# KiCad board GDI-6ch.kicad_pcb (continued)
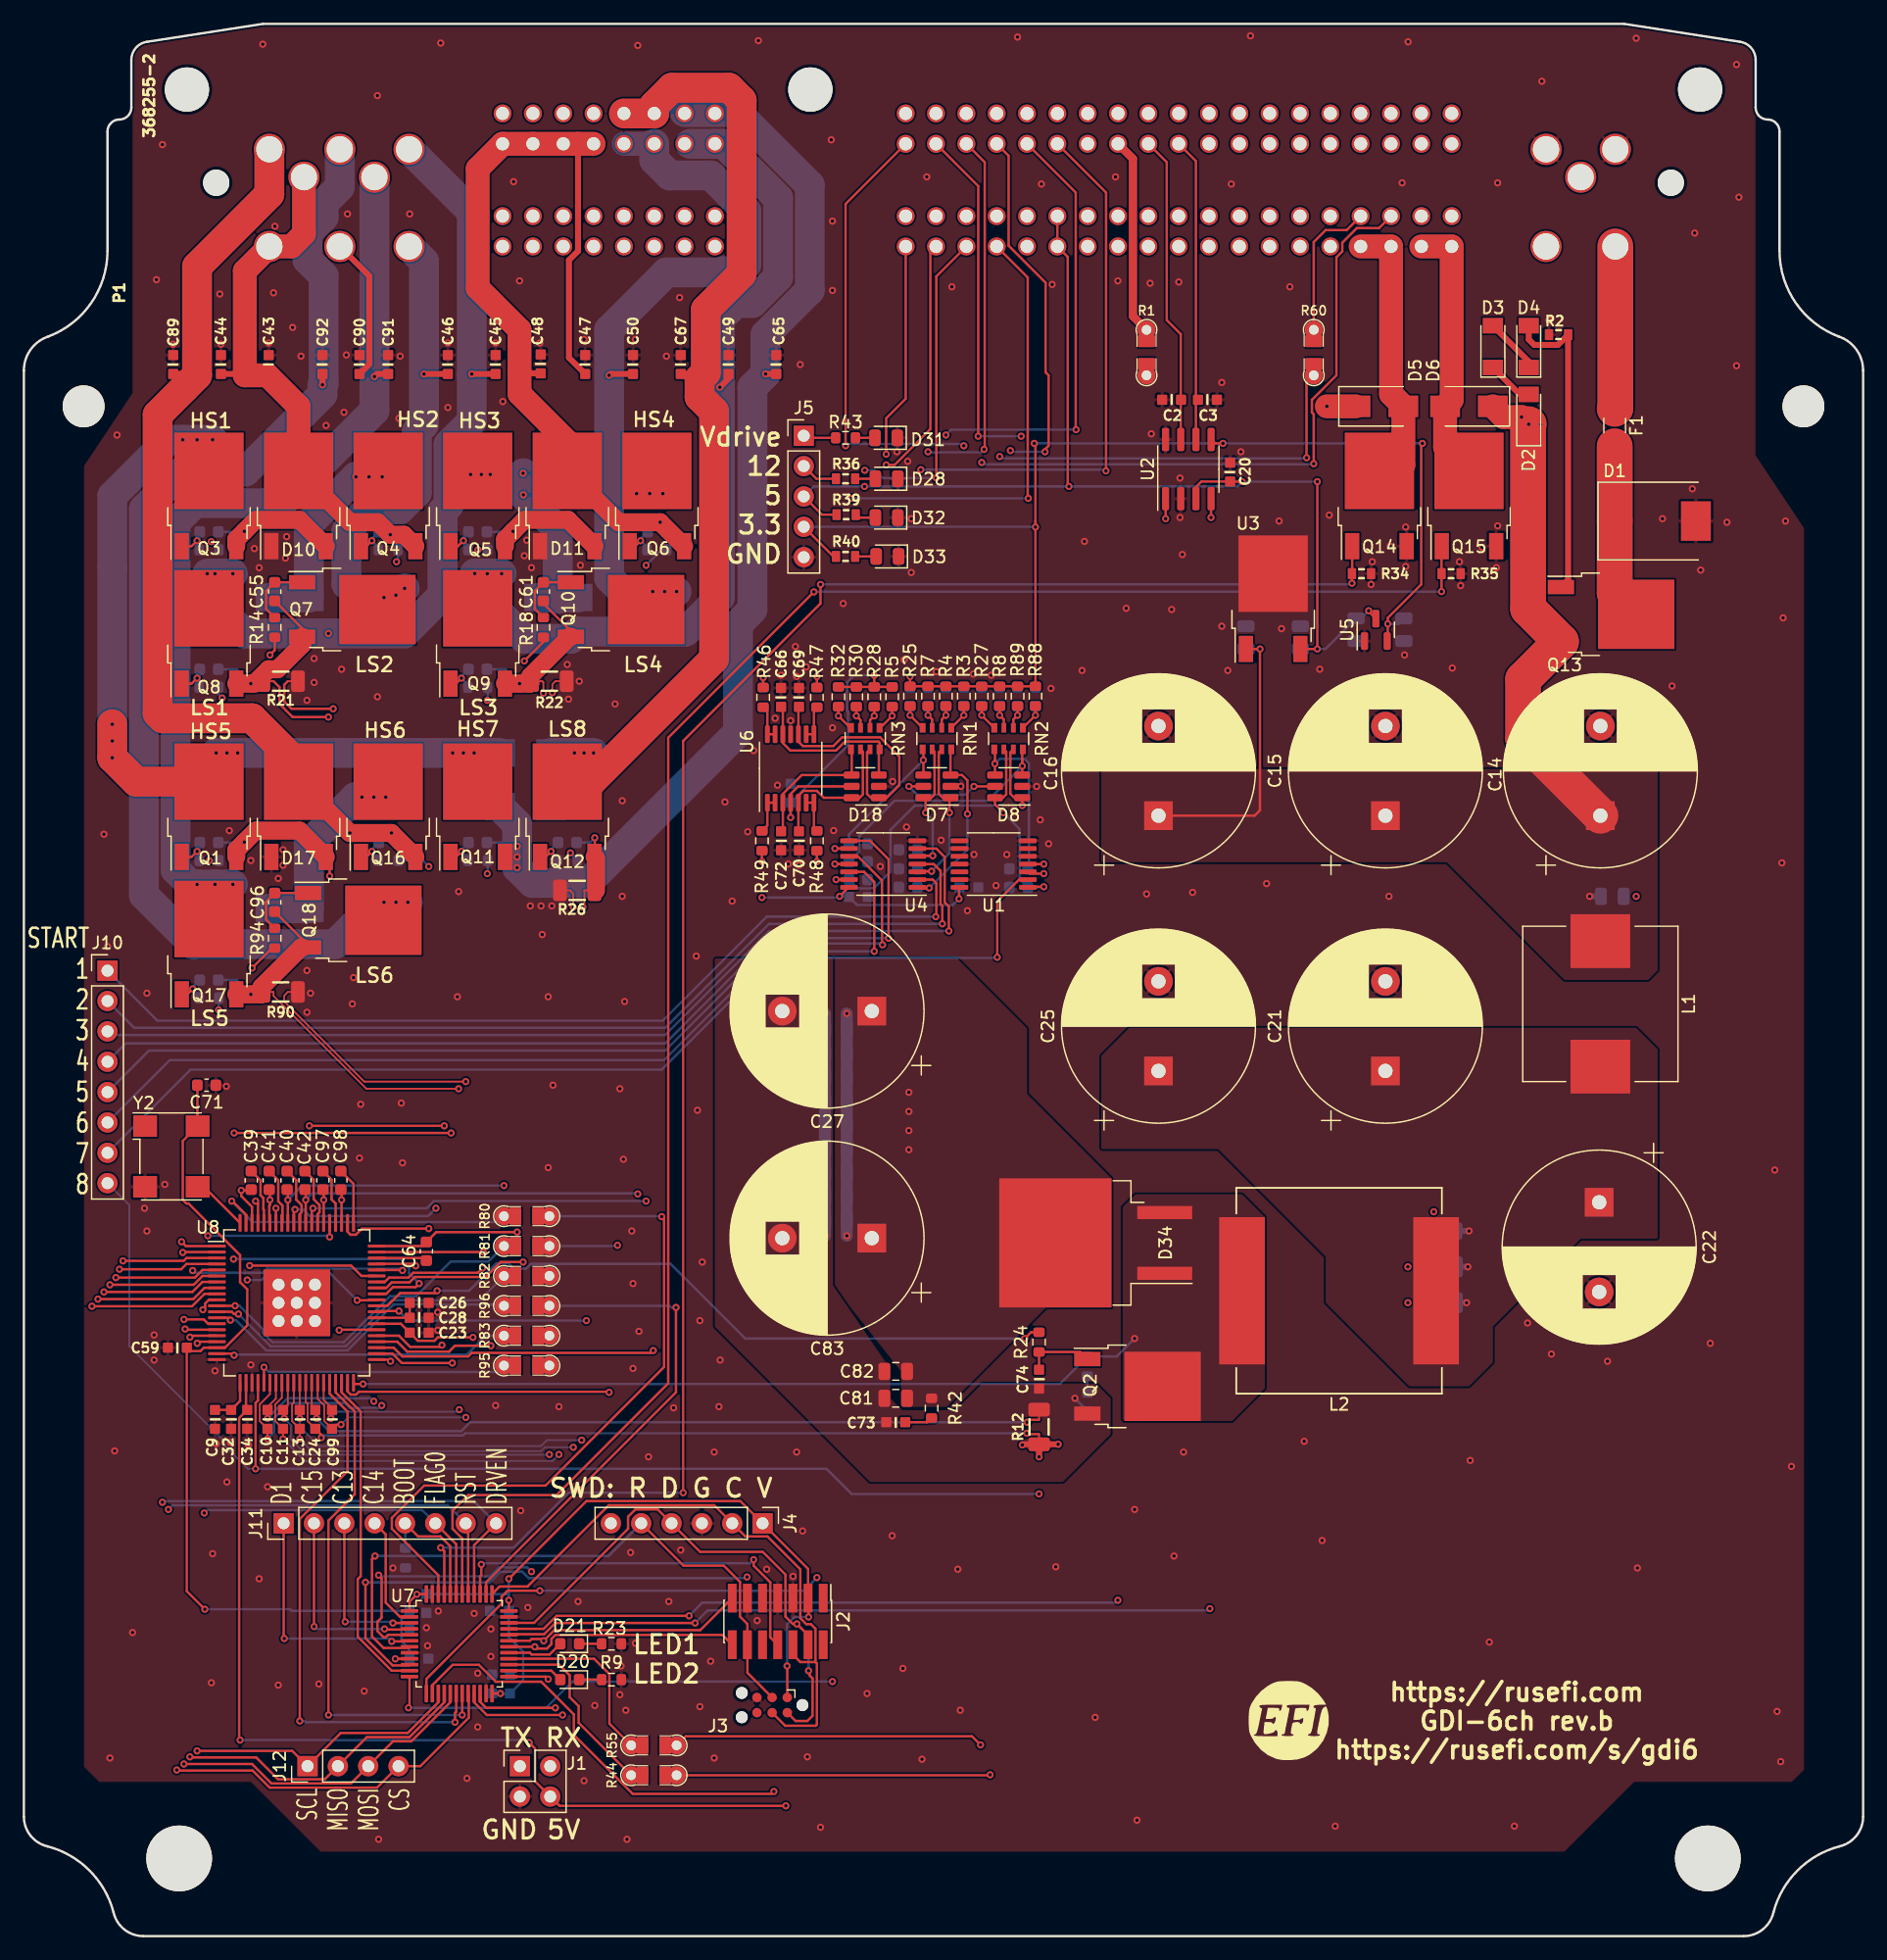
[diagram p0: board, top side]
## Routing (per net, layer and track width the routed paths; a pad name or vN(x,y) marks a point on that pad's centre or on a via; arc(x,y) is an arc through that point) (continued)
/IN_PUMP2: length 172.7
  Top w0.2: v1(107.4,123.7) 107.4,130 R60.2 ; v1(80.9,13.5) 80.86,13.46 R44.1 ; 82.05,101.15 82.05,101.8 v1(81.7,102.15) R8.2
  PWR w0.2: v1(81.7,123.8) v1(81.7,102.15) 80.65,101.1 80.65,13.75 v1(80.9,13.5)
  Bottom w0.2: v1(81.7,123.8) 81.85,123.65 107.35,123.65 v1(107.4,123.7) ; v1(81.7,102.15) R8.2
/IRQ: length 58.1
  Top w0.2: U7.46 34.7,30.19 30.81,34.08 30.81,35 33.51,37.7 43.68,37.7 53.6,47.62 53.6,60 v1(53.4,60.2)
  Bottom w0.2: R80.2 53.36,60.24 v1(53.4,60.2)
/L1: length 131
  Top w0.2: v1(26.4,50.7) 26.44,50.74 U8.46
  Top w0.5: C45.2 37.51,130.71 v1(37.5,130.7)
  PWR w0.2: v1(25.5,109) 24.95,108.45 24.95,90.13 26.2,88.88 26.2,62.05 26.05,61.9 26.05,58.83 26.4,58.48 v1(26.4,50.7)
  Bottom w2.5: P1.114 37.5,144.26 v1(37.5,130.7) 37.5,126.75 35.55,124.8 35.55,119.7 35.05,119.2 35.05,112.19 31.86,109 v1(25.5,109) 18.45,109 16.35,111.1 D9.2 16.35,113.65 v1(16,114) ; v1(17.5,114) v1(15.35,114)
/L2: length 125.7
  Top w0.2: v1(35,49.45) 34.85,49.3 32.34,49.3 31.4,50.24 U8.45 ; v1(23.9,67.8) v1(35.2,67.8)
  Top w0.5: C46.2 33.51,130.71 v1(33.5,130.7)
  PWR w0.2: v1(23.9,67.8) 24.6,68.5 24.6,103.42 23.75,104.27 23.75,108.85 26.9,112 v1(30.15,112) ; v1(35,49.45) 35.2,49.65 v1(35.2,67.8)
  Bottom w2.5: P1.119 33.5,140.13 v1(33.5,130.7) 33.5,126.5 32.9,125.9 32.9,120.8 31.47,119.38 28.82,119.38 27,117.55 27,113.15 D12.2 31.11,112 v1(31.88,112.77)
  vias: v1(31.15,112.2)
/L3: length 148.8
  Top w0.2: U8.44 31.26,49.74 32.1,48.9 35.6,48.9 36.1,49.4 v1(39.1,49.4)
  Top w0.5: v1(58.27,129.6) 59,130.32 C49.2
  PWR w0.2: v1(39.1,49.4) 39.18,49.48 39.18,87.38 40,88.2 v1(40,114)
  Bottom w2.5: 55.78,149.97 P1.90 58.6,149.97 63.15,145.42 63.15,138.8 61,136.65 59.6,136.65 58.27,135.33 v1(58.27,129.6) 58.27,112.02 55.4,109.15 46.4,109.15 45.8,108.55 41.95,108.55 38.85,111.65 D13.2 38.85,113.95 v1(38.8,114) ; v1(40,114) 37.76,114 v1(37.75,114.01)
/L4: length 148.1
  Top w0.2: U8.43 30.96,49.24 31.7,48.5 37.2,48.5 37.5,48.8 52.5,48.8 v1(52.7,49)
  Top w0.5: C50.2 49.11,130.71 v1(49,130.59)
  PWR w0.2: v1(52.65,112.5) 52.65,49.05 v1(52.7,49)
  Bottom w2: P1.92 P1.93
  Bottom w2.5: P1.92 52.78,148.62 54.08,147.32 57.5,147.32 60.5,144.32 60.5,139.9 59.9,139.3 58.5,139.3 58.4,139.2 53.79,139.2 49,134.41 v1(49,130.59) 49,113.65 D14.2 51.15,112.5 v1(54.65,112.5)
  vias: v1(53.65,112.5)
/L5: length 142.8
  Top w0.2: v1(35.87,47.95) 31.65,47.95 30.86,48.74 U8.42 ; v1(17.6,67.2) v1(35.77,67.2)
  Top w0.5: v1(29.35,130.5) 29.56,130.71 C91.2
  PWR w0.2: v1(35.87,47.95) 35.9,47.98 35.9,67.07 v1(35.77,67.2) ; v1(17.5,88) 17.5,67.3 v1(17.6,67.2)
  Bottom w2.5: D19.2 16.35,87.65 v1(16,88) ; P1.117 v1(29.35,130.5) 29.35,127.65 21.6,119.9 14.3,119.9 12.7,118.3 12.7,89.23 13.93,88 v1(14.5,88) v1(17.5,88)
/L6: length 140
  Top w0.2: U8.41 30.56,48.24 v1(30.7,48.1)
  Top w0.5: v1(25,129.8) C92.2
  PWR w0.2: v1(30.7,48.1) 30.7,85.59 30.15,86.14 v1(30.15,86.5)
  Bottom w2.5: P1.115 26.45,146.36 25.1,145.01 25.1,143.84 23.75,142.5 23.75,140.26 25.1,138.91 25.1,129.9 v1(25,129.8) 25,129 18.55,122.55 13.2,122.55 10.05,119.4 10.05,87.1 14.15,83 26.05,83 28.15,85.1 D22.2 28.65,86.5 v1(32.15,86.5)
  vias: v1(31.15,86.5)
/L7: length 159.4
  Top w0.2: U8.39 27.1,45.57 27.36,45.31 27.81,45.31 28.05,45.55 48.95,45.55 v1(49,45.5)
  Top w0.5: C67.2 56.17,130.71 56.57,130.3
  Top w2.5: P1.85 P1.84 52.78,153.18 54.26,154.66 59.04,154.66 60.1,153.6 60.1,139.1 57.1,136.1 57.1,130.83 56.57,130.3 56.57,128.79 57.79,127.57 57.79,106.89 47.5,96.6 Q12.2
  PWR w0.2: v1(47.7,99) 47.25,98.55 47.25,86.45 49,84.7 v1(49,45.5)
  Bottom w2.5: D16.2 v1(47.7,99)
  vias: v1(46.1,99) v1(46.9,99)
/LED_GREEN: length 4.7
  Top w0.2: D21.2 44.01,23.56 42.51,23.56 42.36,23.71 U7.29
/LS1: length 154.6
  Top w0.2: v1(55.2,37.1) 55.2,100 66.7,111.5 v1(66.7,113.1) ; U7.45 35.2,32.2 v1(34.9,32.5) ; Q14.1 111.22,114.02 R34.2 v1(111.2,113.2)
  Bottom w0.2: v1(111.2,113.2) 111.1,113.1 v1(66.7,113.1) ; v1(34.9,32.5) 41,32.5 45.6,37.1 v1(55.2,37.1)
/LS2: length 157.4
  Top w0.2: U7.42 36.7,33.27 35.89,34.08 35.89,35.59 37.2,36.9 44.6,36.9 53.95,46.25 53.95,100.28 v1(66.15,112.48) ; v1(118.7,112.5) R35.2 118.7,116.28 Q15.1
  Bottom w0.2: v1(66.15,112.48) 66.17,112.5 v1(118.7,112.5)
/MISO: length 62.9
  Top w0.2: U8.16 14.02,50.24 v1(13.9,50.11) ; U7.16 35.2,19.56 32.29,16.65 28.72,16.65 J12.2 25.19,13.12 21.28,13.12 19.45,14.95 13.95,14.95 v1(13.9,15)
  PWR w0.2: v1(13.9,50.11) v1(13.9,15)
/MOSI: length 65.7
  Top w0.2: v1(13.4,14.4) 19.1,14.4 20.73,12.77 27.38,12.77 J12.3 30.91,16.3 32.44,16.3 35.7,19.56 U7.17 ; U8.15 13.56,50.74 v1(13.5,50.8)
  PWR w0.2: v1(13.5,50.8) 13.35,50.65 13.35,14.45 v1(13.4,14.4)
/nRESET: length 54.9
  Top w0.2: U7.7 32.19,24.11 30.11,24.11 29.15,25.07 29.15,31.55 v1(29.4,31.8) ; J4.5 55.23,31 58.6,31 59.96,29.64 59.96,26.74 60.58,26.12 J2.12 60.58,22.03 J3.3
  Bottom w0.2: J4.5 48.96,31.81 29.41,31.81 v1(29.4,31.8)
/OA_1: length 46.1
  Top w0.2: U7.18 36.2,18.78 36.1,18.68 v1(36.1,17.9) ; v1(23.1,18) 23.1,34.91 27.1,38.9 27.1,43.89 25.6,45.38 U8.36
  Bottom w0.2: v1(36.1,17.9) 23.6,17.9 23.5,18 v1(23.1,18)
/OA_2: length 42.4
  Top w0.2: U8.37 26.1,45.5 27.7,43.9 27.7,36.97 25.5,34.77 v1(25.5,18.5) ; v1(36.7,18.5) U7.19
  Bottom w0.2: v1(25.5,18.5) v1(36.7,18.5)
/OA_3: length 27.5
  Top w0.2: U7.11 30.79,22.21 27.95,25.05 27.95,29.87 28.2,30.12 28.2,43.89 26.6,45.49 U8.38
/OUT_LS1: length 23.5
  Top w2: P1.21 P1.22 114.47,129.03 D5.2 115.5,123.1 115,122.6 Q14.2
/OUT_LS2: length 22.4
  Top w2: P1.23 P1.24 119.55,128.55 D6.2 119,124.6 Q15.2
/RESETB: length 56.5
  Top w0.2: v1(13.3,57.2) 13.34,57.24 U8.2 ; J11.7 37.2,34.33 U7.41
  PWR w0.2: v1(12.1,35.7) 12.1,35.88 12.25,36.03 12.25,56.15 v1(13.3,57.2)
  Bottom w0.2: J11.7 35.48,36.05 12.45,36.05 v1(12.1,35.7)
/SCLK: length 59.5
  Top w0.2: U7.15 34.7,19.56 32.14,17 26.53,17 J12.1 22.47,15.5 v1(14.5,15.5) ; v1(14.51,49.6) 14.65,49.74 U8.17
  PWR w0.2: v1(14.5,15.5) 14.51,15.51 v1(14.51,49.6)
/START1: length 113.4
  Top w0.2: v1(8.3,56.5) 13.38,56.5 13.62,56.74 U8.3 ; v1(76.35,85.3) 76.4,85.35 76.4,88.1 76.1,88.4 U4.2
  PWR w0.2: v1(8.3,56.5) 8.3,60.02 9.95,61.67 9.95,77.83 J10.1
  Bottom w0.2: J10.1 11.18,76.6 53.5,76.6 62.2,85.3 v1(76.35,85.3)
/START2: length 113.8
  Top w0.2: v1(76.9,84.7) 76.9,86.21 76.75,86.36 76.75,89.13 76.18,89.7 U4.4 ; U8.4 13.61,56.24 13.17,55.8 v1(8,55.8)
  PWR w0.2: v1(8,55.8) 7.75,56.05 7.75,59.96 9.6,61.81 9.6,75.64 J10.2
  Bottom w0.2: J10.2 9.24,76 53.7,76 62.4,84.7 v1(76.9,84.7)
/START3: length 114.2
  Top w0.2: U4.6 76.4,91 77.1,90.3 77.1,86.5 77.45,86.15 v1(77.45,84.1) ; v1(7.7,55.1) 14.32,55.1 14.96,55.74 U8.5
  PWR w0.2: v1(7.7,55.1) 7.4,55.4 7.4,60.11 9.25,61.96 9.25,73.45 J10.3
  Bottom w0.2: v1(77.45,84.1) 62.4,84.1 53.7,75.4 7.3,75.4 J10.3
/START4: length 109.7
  Top w0.2: v1(72.4,83.5) 72.4,90.1 70.85,91.65 U4.8 ; U8.6 14.96,55.24 14.22,54.5 v1(7.2,54.5)
  PWR w0.2: v1(7.2,54.5) 7.05,54.65 7.05,60.25 8.85,62.05 8.85,71.31 J10.4
  Bottom w0.2: v1(72.4,83.5) 62.5,83.5 53.7,74.7 8.54,74.7 J10.4
/START5: length 107
  Top w0.2: v1(6.7,53.9) 14.11,53.9 14.95,54.74 U8.7 ; v1(71.9,82.95) 71.85,82.99 71.85,88.32 69.82,90.35 U4.10
  PWR w0.2: v1(6.7,53.9) 6.65,53.95 6.65,60.35 8.5,62.2 8.5,69.12 J10.5
  Bottom w0.2: v1(71.9,82.95) 71.79,83.05 62.65,83.05 53.7,74.1 10.48,74.1 J10.5
/START6: length 104.8
  Top w0.2: U4.12 70.35,89.05 71.2,88.2 v1(71.2,82.4) ; U8.8 15.12,54.24 14.18,53.3 v1(6.2,53.3)
  PWR w0.2: J10.6 8.1,66.98 8.1,62.4 6.15,60.45 6.15,53.35 v1(6.2,53.3)
  Bottom w0.2: J10.6 12.22,73.3 53.6,73.3 62.7,82.4 v1(71.2,82.4)
/START7: length 113.6
  Top w0.2: v1(5.7,52.7) 14.08,52.7 15.12,53.74 U8.9 ; U1.2 83.32,88.4 81.5,86.57 v1(81.5,81.9)
  PWR w0.2: J10.7 5.65,64.19 5.65,52.75 v1(5.7,52.7)
  Bottom w0.2: J10.7 13.96,72.5 53.4,72.5 62.75,81.85 81.45,81.85 v1(81.5,81.9)
/START8: length 157.9
  Top w0.2: v1(19.4,39.1) 19.4,44.61 19.6,44.81 U8.24 ; v1(85.4,89.7) U1.4
  PWR w0.2: v1(85.4,89.7) 86.05,89.05 86.05,38.05 v1(85,37)
  Bottom w0.15: J10.8 8.82,61.17 8.82,49.35 16.77,41.4 16.77,41.08 18.76,39.1 v1(19.4,39.1)
  Bottom w0.2: v1(19.4,39.1) 67.2,39.1 69.3,37 v1(85,37)
/SWCLK: length 52.1
  Top w0.2: 66.28,22.93 66.28,25.72 65.9,26.1 65.52,26.1 65.01,26.61 65.01,30.69 62.26,33.44 60.41,33.44 J4.2 57.8,36.05 48.97,36.05 42.17,29.25 39.83,29.25 U7.37 ; 66.28,22.93 65.01,22.93 64.39,23.55 J2.6 ; 66.28,22.93 66.4,22.81 66.4,17.7 66.3,17.6 63.74,17.6 J3.4
/SWDIO: length 47.6
  Top w0.2: J3.2 64.61,18 65.6,18 66.04,18.44 66.04,21.56 65.8,21.8 65.8,22.1 v1(65.7,22.2) ; J2.4 65.66,25.18 v1(64.72,26.12) 64.38,26.12 63.77,26.73 63.77,30.25 61.87,32.15 56.62,32.15 J4.4 53.07,35.7 51.2,35.7 50.59,35.09 50.59,34.08 42.72,26.21 U7.34
  Bottom w0.2: v1(64.72,26.12) 65.7,25.14 v1(65.7,22.2)
/SWO: length 33.4
  Top w0.2: v1(38.3,31.1) 38.3,30.2 38.2,30.1 U7.39 ; v1(61.1,31.5) 61.1,31 62.5,29.6 62.5,25 J2.8
  Bottom w0.2: v1(61.1,31.5) 60.8,31.2 38.4,31.2 v1(38.3,31.1)
/UART_RX: length 31.2
  Top w0.2: U7.31 42.36,24.71 42.51,24.86 43.37,24.86 v1(43.52,24.71) 44.41,25.6 56.63,25.6 J2.13
  PWR w0.2: v1(43.52,24.71) 43.52,22.04 43.25,21.77 43.25,15.04 J1.2
/UART_TX: length 30.3
  Top w0.2: U7.30 v1(42.78,24.21) 42.93,24.06 43.79,24.06 44.17,24.44 44.17,24.87 44.51,25.2 58.49,25.2 J2.14
  PWR w0.2: v1(42.78,24.21) 41.53,22.96 J1.1
/Vdrive_coil: length 67
  Top w0.2: v1(28.4,46.2) 27.7,46.2 U8.40
  Bottom w0.2: v1(93,50) 91.5,48.5 R38.2 86.74,46.2 v1(28.4,46.2)
/Vdrive_shunt: length 20.1
  Bottom w0.2: C60.1 89.04,43.96 v1(88,45)
  Bottom w1: v1(67.07,58.6) R99.2 R102.2 v1(67.07,77.2)
Vdrive: length 252
  Top w0.2: J5.1 65.47,125.37 R43.2 ; v1(32.81,56.08) 32.64,56.25 29.55,56.25 U8.57
  PWR w0.2: 31.8,95.3 32.7,94.4 32.7,56.19 v1(32.81,56.08) ; J5.1 62.14,125.54 57.3,120.7 v1(53.5,120.7)
  PWR w2.5: v1(28.3,95.3) 31.8,95.3 33.85,97.35 33.85,113.95 34.94,115.03 34.94,118.84 35.5,119.4 ; v1(27.8,122.1) 32.8,122.1 35.5,119.4 ; v1(74.1,65.8) v1(74.1,67.4) v1(74.1,69) v1(74.1,70.6) 74.1,89.6 65.97,97.73 65.97,102.47 68.1,104.6 68.1,107.8 55.2,120.7 v1(53.5,120.7) v1(51.3,120.7) 49.6,122.4 v1(41.8,122.4) 41.8,120.62 v1(41.82,120.6) 40.63,119.4 35.5,119.4
  Bottom w1: v1(68.9,77.2) R102.1 R99.1 v1(68.9,58.6)
  Bottom w2.5: D9.1 D12.1 23.85,118.15 27.8,122.1 v1(27.8,122.1) v1(30,122.1) ; v1(30.3,95.3) v1(28.3,95.3) 27.75,95.3 23.85,91.4 D22.1 D19.1 ; D14.1 44.8,112 ; 44.8,112 44.7,111.9 44.6,112 D13.1 ; 44.8,112 44.7,112.1 44.7,117.72 v1(41.82,120.6) 41.82,122.38 v1(41.8,122.4)
  vias: v1(28.9,122.1) v1(29.3,95.3) v1(52.4,120.7)
Net-(C60-Pad2): length 1.4
  Bottom w0.2: R38.1 C60.2
Net-(C73-Pad2): length 2.4
  Top w0.2: C73.2 75.65,43 R42.1
Net-(D1-A1): length 14.8
  Top w3: 133.2,124.65 D1.1 133.2,112.4 Q13.2
Net-(D2-A): length 3.9
  Top w0.5: D2.2 125.25,129 D3.1
Net-(D3-A): length 4.7
  Top w0.5: D3.2 126,131.75 D4.1
Net-(D4-A): length 26.4
  Top w0.5: Q13.1 129.3,113.48 R2.2 128.44,133.14 126.46,133.14 126,133.6 D4.2
Net-(D20-A): length 4.6
  Top w0.2: U7.26 44.16,22.21 D20.2
Net-(D20-K): length 1.9
  Top w0.2: D20.1 R9.1
Net-(D21-K): length 1.9
  Top w0.2: D21.1 R23.2
Net-(D28-A): length 1.7
  Top w0.2: R36.1 D28.2
Net-(D31-A): length 1.6
  Top w0.2: R43.1 D31.2
Net-(D32-A): length 1.8
  Top w0.2: R39.1 69.9,118.69 D32.2
Net-(D33-A): length 1.8
  Top w0.2: R40.1 D33.2
Net-(F1-Pad1): length 13.6
  Top w3: P1.4 133.25,127.85 F1.1
Net-(P1-Pad40): length 12.2
  Top w0.2: R60.1 108,141.75 109,142.75 110.76,142.75 P1.40
Net-(P1-Pad51): length 16.6
  Top w0.7: P1.51 92.86,148.72 92.86,135.54 R1.1
Net-(Q1-G): length 3.1
  Top w0.2: v1(14.5,90.76) 14.04,90.3 Q1.1
  Bottom w0.2: C93.2 14.72,90.98 v1(14.5,90.76) 14.67,90.58 R91.2
Net-(Q1-S): length 43.7
  Top w0.2: C97.2 25.1,62.4 v1(25.1,61.6) U8.66 ; D17.3 25.6,89.98 v1(25.6,88.7)
  Top w1.5: D17.3 23.08,92.5 19.42,92.5 v1(18.46,91.54) 17.78,90.86 Q1.3
  PWR w0.2: v1(25.6,88.7) 25.1,88.2 v1(25.1,61.6)
  Bottom w0.2: v1(18.46,91.54) 18.42,91.5 C93.1
Net-(Q2-G): length 5.8
  Top w0.2: C74.2 R24.1 88.45,48.87 89.04,48.28
Net-(Q3-G): length 3.1
  Top w0.2: v1(14.5,116.76) 14.04,116.3 Q3.1
  Bottom w0.2: C52.2 14.72,116.98 v1(14.5,116.76) 14.67,116.58 R10.2
Net-(Q3-S): length 72.3
  Top w0.2: C39.2 18.97,62.4 v1(18.2,62.4) 18.2,61.92 19.1,61.02 U8.78
  Top w1.5: Q3.3 17.78,116.86 v1(18.46,117.54) 19.42,118.5 23.08,118.5 D10.3
  PWR w0.2: v1(18.2,62.4) 18.6,62.8 18.6,65.99 19.96,67.35 19.96,84.55 19.65,84.86 19.65,107.47 18.46,108.66 v1(18.46,117.54)
  Bottom w0.2: v1(18.46,117.54) 18.42,117.5 C52.1
Net-(Q4-G): length 3.1
  Top w0.2: v1(29.14,116.76) 28.68,116.3 Q4.1
  Bottom w0.2: C53.2 29.14,116.91 v1(29.14,116.76) 29.67,116.22 R11.2
Net-(Q5-G): length 3.1
  Top w0.2: v1(36.8,116.76) 36.34,116.3 Q5.1
  Bottom w0.2: C56.2 36.8,117.08 v1(36.8,116.76) 37.17,116.38 R15.2
Net-(Q5-S): length 88.3
  Top w0.2: C40.2 22.1,62.4 v1(22.1,61.6) U8.72
  Top w1.5: D11.3 45.58,118.5 41.92,118.5 v1(40.96,117.54) 40.28,116.86 Q5.3
  PWR w0.2: v1(40.2,62.8) 40.35,62.95 40.35,91.03 40.95,91.63 40.95,117.53 v1(40.96,117.54)
  Bottom w0.2: v1(40.2,62.8) 23.3,62.8 v1(22.1,61.6) ; C56.1 40.92,117.5 v1(40.96,117.54)
Net-(Q6-G): length 3.1
  Top w0.2: v1(51.64,116.76) 51.18,116.3 Q6.1
  Bottom w0.2: R16.2 52.17,116.22 v1(51.64,116.76) 51.64,116.91 C57.2
Net-(Q7-G): length 5.9
  Top w0.2: Q7.1 21,113.28 C55.2 20.27,112.55 20.27,111.05 R14.2
Net-(Q7-S): length 14.7
  Top w0.2: Q7.3 23.3,109.42 C55.1
  Top w1.5: Q7.3 23.3,108.06 21.24,106 20.49,106 19.29,104.8 v1(19,104.8) Q8.3
  Bottom w0.2: v1(19,104.8) 17.8,106 C54.1
Net-(Q8-G): length 3.1
  Top w0.2: Q8.1 14.04,104.8 v1(14.5,105.26)
  Bottom w0.2: R13.2 14.67,105.08 v1(14.5,105.26) 14.72,105.48 C54.2
Net-(Q9-G): length 3.1
  Top w0.2: Q9.1 36.18,104.8 v1(36.64,105.26)
  Bottom w0.2: C58.2 36.64,105.41 v1(36.64,105.26) 37.17,104.72 R17.2
Net-(Q10-G): length 5.9
  Top w0.2: Q10.1 43.5,113.28 C61.2 42.77,112.55 42.77,111.05 R18.2
Net-(Q10-S): length 14.7
  Top w0.2: Q10.3 45.8,109.2 43.5,111.5 C61.1
  Top w1.5: Q10.3 45.71,108.72 42.4,105.41 42.4,104.82 42.38,104.8 v1(41.5,104.8) Q9.3
  Bottom w0.2: v1(41.5,104.8) 40.3,106 C58.1
Net-(Q11-G): length 3.1
  Top w0.2: v1(36.64,90.76) 36.18,90.3 Q11.1
  Bottom w0.2: C62.2 36.64,90.91 v1(36.64,90.76) 37.17,90.22 R19.2
Net-(Q12-G): length 3.1
  Top w0.2: Q12.1 43.68,90.3 v1(44.14,90.76)
  Bottom w0.2: C63.2 44.14,90.91 v1(44.14,90.76) 44.67,90.22 R20.2
Net-(Q12-S): length 6.2
  Top w0.2: v1(47.8,91.9) 47.8,90.32 Q12.3
  Top w1.5: 47.9,87.5 47.9,90.18 Q12.3
  Bottom w0.2: C63.1 47.4,91.5 v1(47.8,91.9)
Net-(Q16-G): length 3.1
  Top w0.2: v1(29.14,90.76) 28.68,90.3 Q16.1
  Bottom w0.2: C94.2 29.14,90.91 v1(29.14,90.76) 29.67,90.22 R92.2
Net-(Q17-G): length 3.1
  Top w0.2: Q17.1 13.68,78.8 v1(14.14,79.26)
  Bottom w0.2: R93.2 14.67,78.72 v1(14.14,79.26) 14.14,79.41 C95.2
Net-(Q17-S): length 14.7
  Top w0.2: C96.1 23.3,83.42 23.3,82.72
  Top w1.5: Q17.3 v1(19,78.8) 19.88,78.8 19.9,78.82 19.9,79.41 23.21,82.72 23.3,82.72
  Bottom w0.2: v1(19,78.8) 17.8,80 C95.1
Net-(Q18-G): length 5.9
  Top w0.2: 23.3,87.28 21,87.28 C96.2 20.27,86.55 20.27,85.05 R94.2
Net-(RN1-R1.2): length 16.1
  Top w0.2: RN1.8 77.59,99.24 D7.3 78.55,97.15 79,96.7 v1(79,93.9) ; v1(75.8,87.7) 74.86,87.7 U4.1
  Bottom w0.2: U4.1 75.75,87.75 v1(75.8,87.7) 79,90.9 v1(79,93.9)
Net-(RN1-R2.2): length 14.2
  Top w0.2: v1(77.5,94) 77.5,95.16 D7.1 76.93,95.25 76.6,95.58 76.6,99.05 RN1.7 ; v1(76,89.1) 74.86,89.1 U4.3
  Bottom w0.2: C35.2 75.01,89.1 v1(76,89.1) 77.5,90.6 v1(77.5,94)
Net-(RN1-R3.2): length 12.9
  Top w0.2: U4.5 74.86,90.4 v1(76.1,90.4) ; RN1.6 76.25,99.1 76.25,95.53 75.97,95.25 D7.6 75.5,95.06 v1(75.5,94)
  Bottom w0.2: v1(75.5,94) 76.1,93.4 v1(76.1,90.4) 75.31,90.4 C36.2
Net-(RN1-R4.2): length 14.3
  Top w0.2: D7.4 75.31,99.24 RN1.5 ; v1(67.9,91) U4.9
  Bottom w0.2: v1(67.9,91) 68.69,91 C38.2 69.09,92.17 v1(75.31,98.4)
Net-(RN2-R1.2): length 23.8
  Top w0.2: 83.59,98.5 83.6,98.49 v1(83.6,97.9) ; 83.59,98.5 83.59,99.24 RN2.8 ; 83.59,98.5 D8.3 ; v1(67.9,89.7) U4.11
  Bottom w0.2: v1(67.9,89.7) 68.89,89.7 69.94,90.75 69.94,92.04 72.9,95 80.7,95 v1(83.6,97.9)
Net-(RN2-R2.2): length 27.5
  Top w0.2: RN2.7 82.6,99.05 82.6,95.58 82.93,95.25 D8.1 83.6,95.24 v1(83.6,94.6) ; v1(68,88.4) U4.13
  Bottom w0.2: v1(68,88.4) U4.13 69.81,87.67 71.17,87.67 72.56,89.06 72.56,92.56 74.6,94.6 v1(83.6,94.6)
Net-(RN2-R3.2): length 16.3
  Top w0.2: v1(85.4,87.8) 84.11,87.8 U1.1 ; RN2.6 82.25,99.1 82.25,95.53 81.97,95.25 D8.6 81.31,94.69 v1(82,94)
  Bottom w0.2: v1(85.4,87.8) 85.35,87.75 U1.1 83.36,88.45 83.36,92.64 v1(82,94)
Net-(RN2-R4.2): length 17.4
  Top w0.2: v1(81.3,98.1) 81.3,98.39 81.31,98.4 ; 81.31,98.4 81.31,99.24 RN2.5 ; 81.31,98.4 D8.4 ; v1(85.4,88.9) 84.21,88.9 U1.3
  Bottom w0.2: v1(81.3,98.1) 81.7,98.5 83.78,98.5 84.15,98.13 84.15,89.39 C51.2 84.46,88.9 v1(85.4,88.9)
Net-(RN3-R1.2): length 14.5
  Top w0.2: C66.2 63.55,102.71 U6.12 63.55,99.83 64.18,99.2 68,99.2 68.75,99.95 71.56,99.95 71.65,99.86 RN3.8 71.59,99.24 D18.3
Net-(RN3-R2.2): length 22
  Top w0.2: C69.2 64.85,102.81 U6.10 64.85,99.95 65.22,99.58 67.77,99.58 68.5,100.3 71.7,100.3 73.3,98.7 73.3,96.3 72.25,95.25 D18.1 70.93,95.25 70.6,95.58 70.6,99.05 RN3.7
Net-(RN3-R3.2): length 12.8
  Top w0.2: RN3.6 70.25,99.1 70.25,95.53 69.97,95.25 D18.6 66.97,95.25 66.4,95.83 65.25,95.83 64.85,95.42 U6.5 64.85,92.49 C70.2
Net-(RN3-R4.2): length 11.8
  Top w0.2: RN3.5 69.31,99.24 D18.4 65.12,97.15 63.55,95.57 U6.3 63.55,92.59 C72.2
Net-(U6A--): length 3.2
  Top w0.2: U6.2 U6.1 62.25,92.92 R49.2
Net-(U6B--): length 3.1
  Top w0.2: R48.2 66.15,92.72 U6.7 U6.6
Net-(U6C--): length 3
  Top w0.2: R47.2 66.15,102.58 U6.8 U6.9
Net-(U6D--): length 3.1
  Top w0.2: U6.13 U6.14 62.25,102.47 R46.2
Net-(U7-PB14): length 15.9
  Top w0.2: U7.27 44.81,22.71 45.7,21.82 45.7,19.99 46.45,19.24 46.45,17.85 R44.2
Net-(U7-PB15): length 15.7
  Top w0.2: U7.28 47.74,23.21 49.02,21.93 49.02,17.78 R55.2
Net-(U8-B_HS1): length 4.8
  Top w0.2: C39.1 19.81,63.24 19.81,61.99 20.05,61.75 20.05,60.8 20.1,60.75 U8.76
Net-(U8-B_HS2): length 4.8
  Top w0.2: C41.1 21.3,63.25 21.3,61.48 21.65,61.13 21.65,59.72 U8.73
Net-(U8-B_HS3): length 4.9
  Top w0.2: U8.70 23.1,60.41 23.25,60.56 23.25,61.17 22.8,61.62 22.8,63.25 C40.1
Net-(U8-B_HS4): length 4.9
  Top w0.2: U8.67 24.6,60.41 24.75,60.56 24.75,61.17 24.26,61.66 24.26,63.29 C42.1
Net-(U8-B_HS5): length 4.8
  Top w0.2: C97.1 25.76,63.29 25.76,61.64 26.1,61.3 U8.64
Net-(U8-B_HS6): length 4.8
  Top w0.2: C98.1 27.6,62.95 U8.61
Net-(U8-B_HS7): length 4.3
  Top w0.2: C64.1 33.49,56.74 U8.58
Net-(U8-DBG/FLAG_15): length 24.8
  Top w0.2: U8.19 17.46,48.74 v1(17.6,48.6)
  Bottom w0.2: R83.1 38.67,50.24 37.08,48.65 17.65,48.65 v1(17.6,48.6)
Net-(U8-FLAG1/EXTFW2): length 28.8
  Top w0.2: U8.11 17.68,52.74 v1(17.68,52.74)
  Bottom w0.2: v1(17.68,52.74) 18.05,52.74 20,50.79 20,50.5 20.81,49.7 26.8,49.7 30.65,53.55 32.85,53.55 35.75,56.45 38.91,56.45 R81.1
Net-(U8-FLAG2/EXTFW3): length 27.7
  Top w0.2: v1(17.96,52.05) 17.6,52.05 17.41,52.24 U8.12
  Bottom w0.2: R82.1 38.16,53.2 30.8,53.2 27,49.4 26.99,49.4 26.94,49.35 20.66,49.35 v1(17.96,52.05)
Net-(U8-FLAG3/EXTFW4): length 26.8
  Top w0.2: U8.13 17.09,51.74 v1(17.29,51.54)
  Bottom w0.2: v1(17.29,51.54) 17.76,51.54 20.3,49 27.09,49 30.94,52.85 40.08,52.85 R96.1
Net-(U8-G_HS1): length 65.7
  Top w0.2: U8.77 19.6,61.3 v1(19.4,61.5)
  PWR w0.2: v1(19.4,61.5) 19.4,65.32 22.3,68.22 22.3,113.4 20.5,115.2 20.5,116.28 18.69,118.09 17.09,118.09 v1(15.69,116.68)
  Bottom w0.2: R10.1 16.32,116.04 v1(15.69,116.68)
Net-(U8-G_HS2): length 61.7
  Top w0.2: v1(21.1,60.9) U8.74
  PWR w0.2: v1(31.2,115) 29.2,115 23.3,109.1 23.3,103.92 23.05,103.67 23.05,64.05 21.55,62.55 21.55,61.35 v1(21.1,60.9)
  Bottom w0.2: R11.1 31.32,115.12 v1(31.2,115)
Net-(U8-G_HS3): length 70.8
  Top w0.2: v1(22.7,60.8) 22.6,60.7 U8.71
  PWR w0.2: v1(38.02,116) 35.35,113.33 35.35,68.73 34.5,67.88 v1(34.5,60.9)
  Bottom w0.2: R15.1 38.03,116 v1(38.02,116) ; v1(34.5,60.9) 33.85,60.25 23.93,60.25 23.38,60.8 v1(22.7,60.8)
Net-(U8-G_HS4): length 84.9
  Top w0.2: U8.68 24.1,60.8 v1(24.2,60.9)
  PWR w0.2: v1(52.1,114.7) v1(52.1,61.5)
  Bottom w0.2: v1(52.1,61.5) 34.32,61.5 33.72,60.9 v1(24.2,60.9) ; v1(52.1,114.7) 53.4,116 R16.1
Net-(U8-G_HS5): length 43.7
  Top w0.2: v1(25.6,58.5) U8.65
  PWR w0.2: v1(15.52,90) 15.45,89.92 15.45,58.65 v1(15.4,58.6)
  Bottom w0.2: R91.1 v1(15.52,90) ; v1(25.6,58.5) 25.5,58.6 v1(15.4,58.6)
Net-(U8-G_HS6): length 40.9
  Top w0.2: U8.62 27.1,58.94 27.35,58.69 27.79,58.69 28.31,59.2 v1(33.9,59.2)
  PWR w0.2: v1(33.9,89.5) v1(33.9,59.2)
  Bottom w0.2: v1(33.9,89.5) 33.4,90 R92.1
Net-(U8-G_HS7): length 41.8
  Top w0.2: v1(38.46,57.24) U8.59
  PWR w0.2: v1(38.8,88.9) 38.8,57.57 v1(38.46,57.24)
  Bottom w0.2: R19.1 38.82,88.92 v1(38.8,88.9)
Net-(U8-G_LS1): length 70.4
  Top w0.2: U8.56 31.66,55.74 v1(31.7,55.7)
  PWR w0.2: v1(16.6,103.6) 13.59,100.59 13.59,58.53 13.95,58.17 13.95,55.87 v1(14.13,55.69)
  Bottom w0.2: v1(14.13,55.69) 14.32,55.5 20.01,55.5 20.36,55.85 31.55,55.85 v1(31.7,55.7) ; v1(16.6,103.6) 16.32,103.88 R13.1
Net-(U8-G_LS2): length 64.5
  Top w0.2: U8.55 28.26,55.24 27.4,56.1 v1(18.9,56.1) ; R14.1 21,107.6 v1(20.6,107.2)
  PWR w0.2: v1(18.9,56.1) 18.85,56.15 18.85,61.73 19,61.88 19,65.9 20.45,67.35 20.45,107.05 v1(20.6,107.2)
Net-(U8-G_LS3): length 58.5
  Top w0.2: v1(38.4,55.9) 38,55.5 32.59,55.5 32.19,55.1 30.58,55.1 30.22,54.74 U8.54
  PWR w0.2: v1(38.4,55.9) 37.91,56.39 37.91,57.47 38.25,57.8 38.25,102.85 v1(38.8,103.4)
  Bottom w0.2: R17.1 38.82,103.42 v1(38.8,103.4)
Net-(U8-G_LS4): length 66.3
  Top w0.2: v1(41.9,106.7) 43.5,108.3 R18.1 ; v1(41.8,56.4) 39.93,56.4 38.68,55.15 32.74,55.15 32.29,54.7 30.8,54.7 30.34,54.24 U8.53
  PWR w0.2: v1(41.9,106.7) 42.05,106.55 42.05,89.37 41.8,89.12 41.8,59.19 41.85,59.14 41.85,58.68 41.8,58.63 v1(41.8,56.4)
Net-(U8-G_LS5): length 43
  Top w0.2: v1(33.1,54.6) 32.8,54.3 30.89,54.3 30.33,53.74 U8.52
  PWR w0.2: v1(17.55,56.65) 16.3,57.9 v1(16.3,77.5)
  Bottom w0.2: v1(16.3,77.5) 16.32,77.53 R93.1 ; v1(33.1,54.6) 32.25,55.45 32.25,55.93 31.53,56.65 v1(17.55,56.65)
Net-(U8-G_LS6): length 42.2
  Top w0.2: U8.51 29.5,53.2 v1(27.9,53.2) ; v1(19.1,81) 20.77,82.67 R94.1
  PWR w0.2: v1(19.1,81) 19.55,80.55 19.55,67.44 17.65,65.54 17.65,62.17 18.1,61.72 18.1,55.5 v1(18.7,54.9)
  Bottom w0.2: v1(18.7,54.9) 19.9,54.9 20.5,55.5 25.6,55.5 v1(27.9,53.2)
Net-(U8-G_LS7): length 60.1
  Top w0.2: v1(34.6,54) 34.4,53.8 31.5,53.8 30.44,52.74 U8.50 ; R24.2 84.32,50.52 v1(83.8,50)
  Bottom w0.2: v1(83.8,50) 60.4,50 54.15,56.25 42.45,56.25 42.05,55.85 41.01,55.85 40.56,56.3 39.58,56.3 37.28,54 v1(34.6,54)
Net-(U8-G_LS8): length 58.7
  Top w0.2: v1(31.4,52.3) 29.6,52.3 U8.49
  PWR w0.2: v1(45.76,90.64) 45.45,90.33 45.45,85.05 47.1,83.4 v1(47.1,51.5)
  Bottom w0.2: R20.1 46.32,90.07 v1(45.76,90.64) ; v1(47.1,51.5) 32.2,51.5 v1(31.4,52.3)
Net-(U8-IRQ/FLAG_13): length 26.1
  Top w0.2: v1(17.4,61.5) 17.5,61.4 17.56,61.4 18.6,60.36 U8.79
  Bottom w0.2: R80.1 39.71,59.75 19.15,59.75 v1(17.4,61.5)
Net-(U8-VCC2P5): length 3.9
  Top w0.2: C9.2 C32.2 18.1,44.78 U8.21
Net-(U8-VSENSEN1): length 83.3
  Top w0.15: U8.26 20.6,45.35 19.75,44.5 19.75,43.1 C10.1
  Top w0.2: v1(20.4,41.6) C10.1 ; R21.3 21.8,104.7 21.8,103.3 22.4,102.7 v1(25.9,102.7)
  PWR w0.2: v1(29.96,44.4) 30.1,44.54 30.1,85.7 28.3,87.5 28.3,93 26.1,95.2 26.1,102.5 v1(25.9,102.7)
  Bottom w0.2: v1(20.4,41.6) 20.95,42.15 20.95,43.35 22.2,44.6 26.88,44.6 27.28,44.2 29.76,44.2 v1(29.96,44.4)
Net-(U8-VSENSEN2): length 95.8
  Top w0.15: v1(21.7,41.6) C11.1 21.05,43.1 21.05,44.5 21.6,45.05 U8.28 ; R22.3 44.5,105 44.25,104.75 v1(44.25,104.03)
  PWR w0.15: v1(44.25,104.03) 44.25,103.75 45.07,102.92 45.07,83.57 46.5,82.14 46.5,42.52 44.8,40.82 v1(44.8,40.3)
  Bottom w0.15: v1(21.7,41.6) 23.55,39.75 44.25,39.75 v1(44.8,40.3)
Net-(U8-VSENSEN3): length 76.7
  Top w0.15: v1(23.1,41.6) C13.1 22.45,43.1 22.45,44.5 22.6,44.65 U8.30 ; v1(46,86.1) 46,87.23 R26.3
  PWR w0.15: v1(46,40.9) 46,41.6 47.8,43.4 47.8,84.3 v1(46,86.1)
  Bottom w0.15: v1(46,40.9) 43.62,40.9 43.3,40.57 24.12,40.57 v1(23.1,41.6)
Net-(U8-VSENSEN5): length 65.4
  Top w0.15: U8.32 23.6,44.7 23.75,44.55 23.75,43.1 C24.1
  Top w0.2: R12.3 84.04,42 v1(83.97,42.07) ; C24.1 24.9,41.95 v1(24.9,41.7)
  Bottom w0.2: v1(83.97,42.07) 36.94,42.07 36.77,41.9 25.1,41.9 v1(24.9,41.7)
Net-(U8-VSENSEN6): length 62.9
  Top w0.15: U8.34 24.6,44.95 25.15,44.4 25.15,43.1 C99.1 26.15,42.8 v1(26.55,42.8) ; R90.3 21.8,78.7 21.8,78.2 28.5,71.5 v1(37,71.5)
  PWR w0.15: v1(37,71.5) v1(37,43.4)
  Bottom w0.15: v1(26.55,42.8) 27.15,43.4 v1(37,43.4)
Net-(U8-VSENSEP1): length 78.5
  Top w0.15: U8.27 21.1,44.97 20.4,44.27 C10.2
  Top w0.2: v1(25.5,102) 22.5,102 21.4,103.1 21.4,104.5 R21.2 ; v1(20.4,43.32) C10.2
  PWR w0.2: v1(25.5,102) 25.5,95.2 27.9,92.8 27.9,86.9 29.3,85.5 v1(29.3,44.75)
  Bottom w0.2: v1(20.4,43.32) 22.08,45 29.05,45 v1(29.3,44.75)
Net-(U8-VSENSEP2): length 94
  Top w0.15: R22.2 43.5,104.9 v1(43.5,104) ; v1(21.8,43.32) 21.8,43.93 C11.2 22.1,44.43 U8.29
  PWR w0.15: v1(43.5,104) 44.77,102.72 44.77,83.44 46.1,82.12 46.1,42.8 44,40.7 v1(44,40.3)
  Bottom w0.15: v1(44,40.3) 43.97,40.28 23.65,40.28 22.35,41.57 22.35,42.77 v1(21.8,43.32)
Net-(U8-VSENSEP3): length 75.5
  Top w0.15: v1(23.1,43.32) C13.2 U8.31 ; v1(46.8,86.1) 46.93,86.23 R26.2
  PWR w0.15: v1(46.7,41.5) 48.3,43.1 48.3,84.6 v1(46.8,86.1)
  Bottom w0.15: v1(46.7,41.5) 43.8,41.5 43.3,41 24.72,41 23.1,42.62 v1(23.1,43.32)
Net-(U8-VSENSEP4/FLAG_4): length 21.8
  Top w0.2: U8.25 v1(20.1,47.6)
  Bottom w0.2: R95.1 39.66,47.2 20.5,47.2 v1(20.1,47.6)
Net-(U8-VSENSEP5): length 64.5
  Top w0.15: U8.33 24.1,44.33 C24.2
  Top w0.2: C24.2 24.5,43.93 v1(24.5,43.32) ; R12.2 84.2,43.2 v1(84,43)
  Bottom w0.2: v1(84,43) 37.38,43 36.63,42.25 25.57,42.25 v1(24.5,43.32)
Net-(U8-VSENSEP6): length 60.3
  Top w0.15: U8.35 25.1,44.87 25.8,44.17 C99.2 ; 25.6,44.03 25.7,43.93 v1(25.7,43.32) ; R90.2 20.9,78.68 28.68,70.9 v1(36.4,70.9)
  PWR w0.15: v1(36.4,70.9) 36.4,44.11 v1(36.46,44.05)
  Bottom w0.15: v1(36.46,44.05) 36.28,43.88 26.25,43.88 v1(25.7,43.32)

## Copper pours and planes (outline as drawn; the poured copper is in the pictures)
GND on Top, Bottom, GND, PWR: 0,-4 0,161 155,161 155,-4
+BATT on Top: 90.2,89.85 119.15,89.85 129,80 136,80 136.8,80.8 136.8,97.65 90.2,97.65
/+Batt_filtered on Top: 90.2,65.85 100,65.85 109,56.85 109,53 116,46 121,46 123,48 123,51 130.35,58.35 136.8,58.35 136.8,74.2 135,76 92.55,76 90.2,73.65
/H7 on Top: 40.28,91.4 41.6,91.4 41.6,89.2 40.28,89.2
/Vdrive_coil on Top: 103.91,60.16 102,62.07 93.07,62.07 92,61 92,43.25 92.14,43.1 101.17,43.1 103.91,45.84
/Vdrive_shunt on Top: 57.85,81.8 57.85,51 70.85,38 87,38 91,42 91,45 89.77,46.23 80.23,46.23 78,44 73.55,44 72.55,45 72.55,47.45 67.75,54.45 67.75,81.9
Vdrive on Top: 67.75,81.9 67.75,54.45 73.45,47.25 73.45,44.28 77.27,44.28 85.6,52.6 91.07,52.6 91.07,63.4 84,70.47 84,75.95 78.15,81.8

## Text on the board
B.Silkscreen: Always looking for C/C++/PHP/Java developers / https://rusefi.com/s/mission | RX TX | 5V GND | SWD: V C G D R | GND | +12V
F.Silkscreen: D1 / C15 / C13 / C14 / BOOT / FLAG0 / RST / DRVEN | SCL / MISO / MOSI / CS | LS1 | LS5 | HS1 | HS5 | LS2 | LS6 | HS6 | HS2 | HS7 | LS3 | HS3 | LS8 | LS4 | HS4 | START / 1 / 2 / 3 / 4 / 5 / 6 / 7 / 8 | https://rusefi.com / GDI-6ch rev.b / https://rusefi.com/s/gdi6 | GND | TX RX | 5V | SWD: R D G C V | LED1 / LED2 | Vdrive / 12 / 5 / 3.3 / GND
